# Altium PCB huamoidiot PCB.PcbDoc
Units mm, origin at the board's own origin, x right, y up, seen from the top; angles counter-clockwise.
Board outline 109.6 x 61.84 mm, 2 copper layers (Top Layer, Bottom Layer); 29 components, 41 nets, 167 pads, 17 vias.
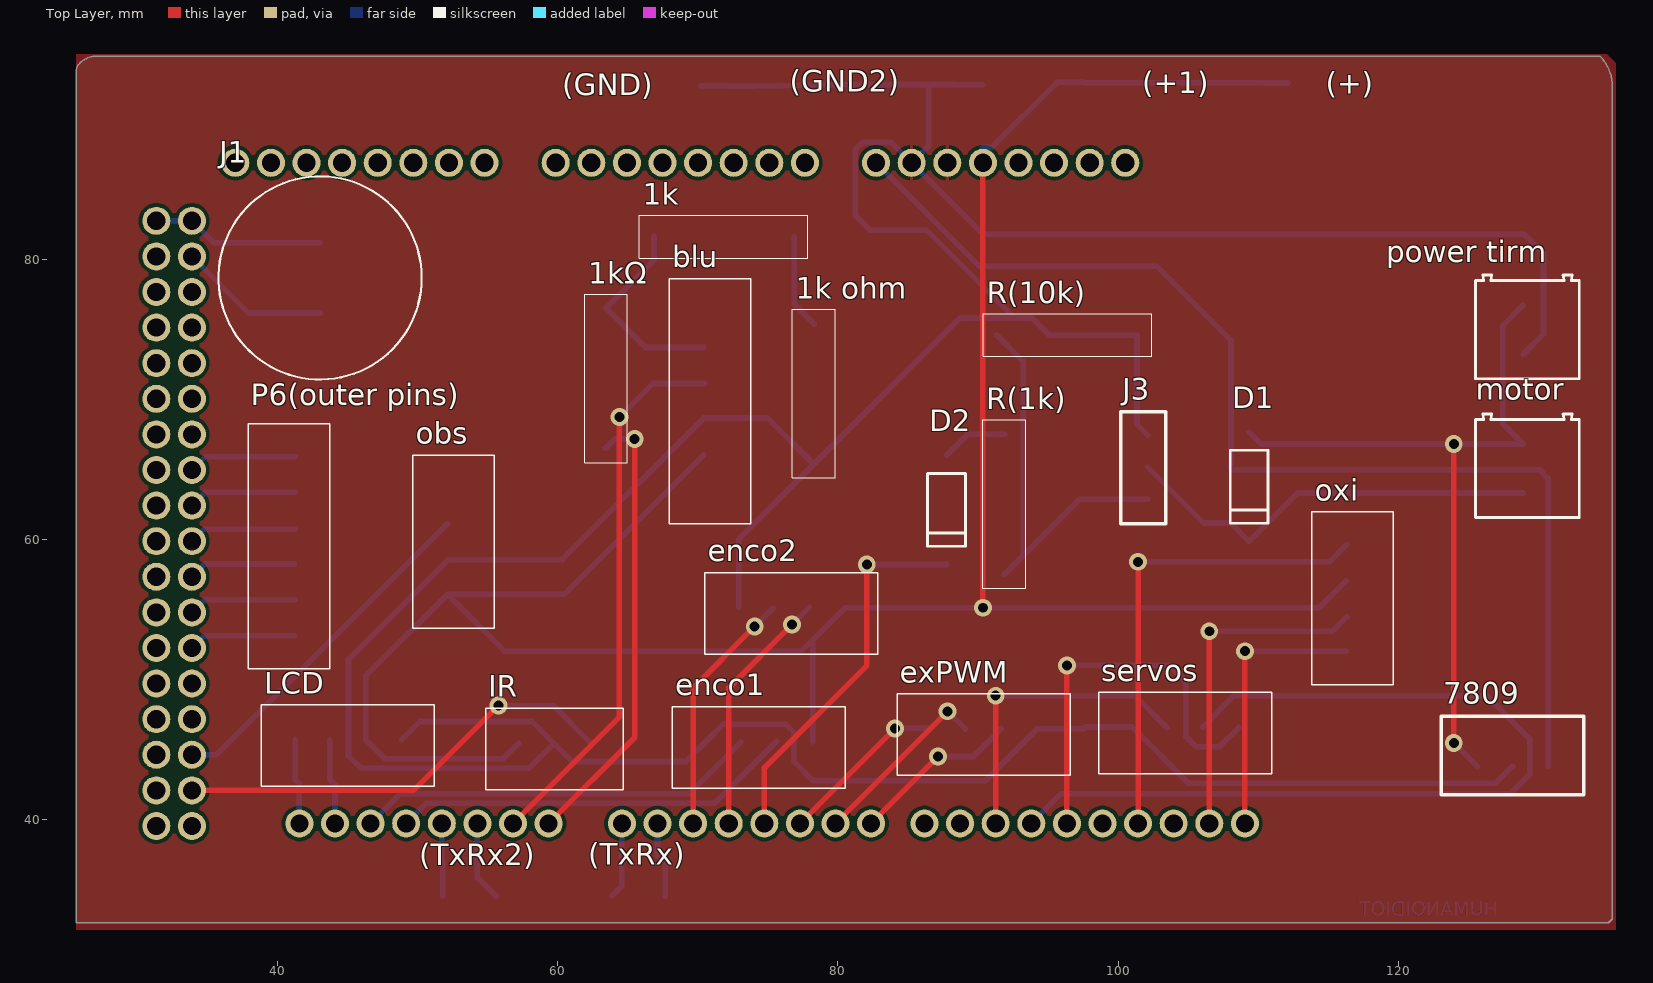
[diagram p0: Top Layer view]
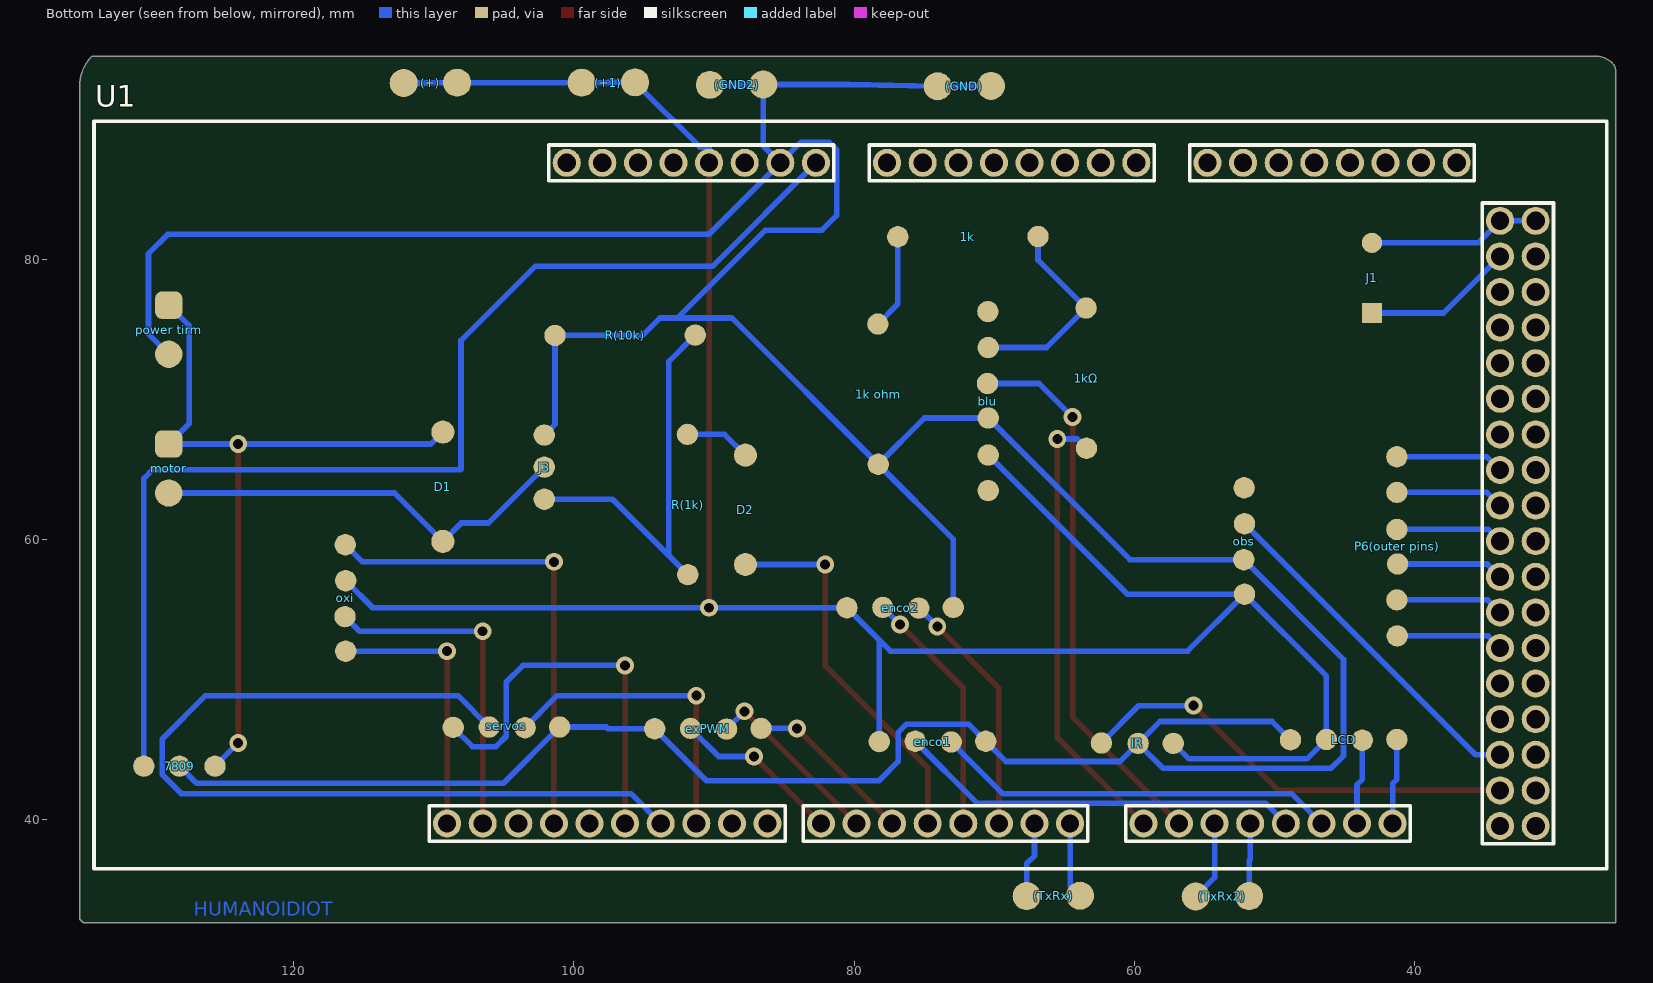
[diagram p1: Bottom Layer view, seen from below]

## Layer stack, top to bottom
Top Solder: solder mask 0.0102, Solder Resist, Dk 3.5
Top Layer: signal copper 0.0356
Dielectric 1: dielectric 0.32, FR-4, Dk 4.8
Bottom Layer: signal copper 0.0356
Bottom Solder: solder mask 0.0102, Solder Resist, Dk 3.5

## Board outline
25.654,32.639 25.654,93.367 cw(c26.521,93.367) 25.908,93.98 cw(c27.113,92.775) 27.113,94.479 134.375,94.479 cw(c132.25,92.354) 135.255,92.354 135.255,32.893 135.001,32.639

## Design rules (kind name [scope] priority, off if disabled: settings)
Clearance [All] p1: gap=0.254 ignorepadtopadclearanceinfootprint=FALSE
PolygonConnect [All] p1: connectstyle=Relief reliefconductorwidth=0.254 reliefentries=4 polygonreliefangle="90 Angle" airgapwidth=0.254
RoutingVias [All] p1: holewidth=0.711 width=1.27 viastyle="Through Hole" minholewidth=0.711 minwidth=1.27 maxholewidth=0.711 maxwidth=1.27
SolderMaskExpansion [All] p1: expansion=0.102 istentingtop=FALSE
SupplyNets "Schematic Supply Nets_3" [InNet('+12')] p1: voltage=0.000
SupplyNets "Schematic Supply Nets_2" [InNet('+5')] p2: voltage=0.000
SupplyNets "Schematic Supply Nets" [InNet('GND')] p3: voltage=0.000
Width [All] p1: maxlimit=0.6 minlimit=0.254 preferedwidth=0.4 minimp=50.000000 maximp=50.000000 favimp=50.000000
30 further rules are at their usual default settings.

## Components (designator, comment, footprint, x,y, rotation, side; value= is the part's Value field where it differs from the comment)
1k "0.25W_resistor" 0.25W_resistor 73.66,82.804 r180 top
"1k ohm" "0.25W_resistor" 0.25W_resistor 79.502,68.58 r90 top
1kΩ "0.25W_resistor" 0.25W_resistor 62.23,73.279 r270 top
7809 "7809_hole" 780X_hole 128.143,45.085 r0 top
(+1) "Pin_Header_2" "pin header_2" 101.117,93.497 r180 top
(+) "Pin_Header_2" "pin header_2" 113.817,93.472 r180 top
(GND2) "Pin_Header_2" "pin header_2" 91.973,93.345 r180 top
(GND) "Pin_Header_2" "pin header_2" 75.717,93.243 r180 top
(TxRx2) "Pin_Header_2" "pin header_2" 50.14,33.63 r0 top
(TxRx) "Pin_Header_2" "pin header_2" 62.205,33.655 r0 top
blu "Data_Pin_6(blutooth)" Data_Pin_6 64.389,73.127 r270 top
D1 "1N4007" FAIR-DO-41-2 109.347,63.754 r270 top
D2 "1N4007" FAIR-DO-41-2 87.757,62.103 r270 top
enco1 "Data_Pin_4(encoder)" Data_Pin_4 68.834,46.355 r180 top
enco2 "Data_Pin_4(encoder)" Data_Pin_4 71.145,55.905 r180 top
exPWM "Data_Pin_4" Data_Pin_4 84.861,47.269 r180 top
IR "Data_Pin_3(IR)" Data_Pin_3 53.162,44.602 r180 top
J1 "Buzzer_5V" Buzzer_5V_14mm 43.053,78.653 r90 top
J3 "BD679C NPN Transistor" "BD679C NPN Transistor" 101.6,65.151 r270 top
LCD "LCD" Data_Pin_4 39.497,46.482 r180 top
motor "terminal_2" terminal_2 127.203,71.613 r270 top
obs "Data_Pin_4(obs)" Data_Pin_4 51.384,54.305 r270 top
oxi "Data_Pin_4(oximeter)" Data_Pin_4 115.519,50.241 r270 top
"P6(outer pins)" "Data_Pin_6(outer pins)" Data_Pin_6 47.32,56.236 r90 top
"power tirm" "terminal_2" terminal_2 127.203,81.519 r270 top
R(1k) "0.25W_resistor" 0.25W_resistor 93.091,60.706 r90 top
R(10k) "0.25W_resistor" 0.25W_resistor 94.564,73.355 r0 top
servos "Data_Pin_4" Data_Pin_4 99.238,47.371 r180 top
U1 "Arduino_Mega" Arduino_Mega 737.489,88.011 r180 bottom

## Footprints (in the part's own frame and the unit in brackets; to place one, negate y for a bottom-side part, rotate by r counter-clockwise, add the part's x,y. Pads: shape width x height; smd on the part's side, far side on the other; paste and mask are expansions set on the pad)
0.25W_resistor [mil]
  round 60 smd far side: 1(-127,48) 2(267,47)
  silkscreen extent -165,-12 308,108, body extent -143,1 283,95, height 162
780X_hole [mil]
  round 60 smd far side: 1(-100,-50) 2(100,-50) 3(0,-50)
  silkscreen extent -200,-130 200,90, body extent -201,-130 201,91, height 813
Arduino_Mega [mm] "Arduino_Mega"
  round 2 hole 1.3: 3.3V(644.601,-1.143) 5V(647.141,-1.143) 5V_DOWN(703.58,-48.463) 5V_DOWN(706.12,-48.463) 22(706.12,-45.923) 23(703.58,-45.923) 24(706.12,-43.383) 25(703.58,-43.383) 26(706.12,-40.843) 27(703.58,-40.843) 28(706.12,-38.303) 29(703.58,-38.303) 30(706.12,-35.763) 31(703.58,-35.763) 32(706.12,-33.223) 33(703.58,-33.223) 34(706.12,-30.683) 35(703.58,-30.683) 36(706.12,-28.143) 37(703.58,-28.143) 38(706.12,-25.603) 39(703.58,-25.603) 40(706.12,-23.063) 41(703.58,-23.063) 42(706.12,-20.523) 43(703.58,-20.523) 44(706.12,-17.983) 45(703.58,-17.983) 46(706.12,-15.443) 47(703.58,-15.443) 48(706.12,-12.903) 49(703.58,-12.903) 50(706.12,-10.363) 51(703.58,-10.363) 52(706.12,-7.823) 53(703.58,-7.823) A_0(659.841,-1.143) A_1(662.381,-1.143) A_2(664.921,-1.143) A_3(667.461,-1.143) A_4(670.001,-1.143) A_5(672.541,-1.143) A_6(675.081,-1.143) A_7(677.621,-1.143) A_8(682.701,-1.143) A_9(685.241,-1.143) A_10(687.781,-1.143) A_11(690.321,-1.143) A_12(692.861,-1.143) A_13(695.401,-1.143) A_14(697.941,-1.143) A_15(700.481,-1.143) GND_DOWN(703.58,-5.283) GND_DOWN(706.12,-5.283) GND_POWER(649.681,-1.143) GND_POWER(652.221,-1.143) GND_PWM(636.067,-48.285) HOLD(636.981,-1.143) PWM_2(667.817,-48.285) PWM_3(665.277,-48.285) PWM_4(662.737,-48.285) PWM_5(660.197,-48.285) PWM_6(657.657,-48.285) PWM_7(655.117,-48.285) PWM_8(651.307,-48.285) PWM_9(648.767,-48.285) PWM_10(646.227,-48.285) PWM_11(643.687,-48.285) PWM_12(641.147,-48.285) PWM_13(638.607,-48.285) REF(633.527,-48.285) REF_I/O(639.521,-1.143) RST(642.061,-1.143) Rx_0(672.897,-48.285) Rx_15(680.669,-48.285) Rx_17(685.749,-48.285) Rx_19(690.829,-48.285) SCL(628.447,-48.285) SCL_21(695.909,-48.285) SDA(630.987,-48.285) SDA_20(693.369,-48.285) Tx_1(670.357,-48.285) Tx_14(678.129,-48.285) Tx_16(683.209,-48.285) Tx_18(688.289,-48.285) Vin(654.761,-1.143)
  silkscreen extent 603.25,-51.51 711.2,1.83, body extent 603.1,-51.26 711.05,2.08, height 15.3
"BD679C NPN Transistor" [mil] "BD679C 750@1.5A,3V 80V NPN 4A 40W TO-126-3 Darlington Transistor"
  round 60 smd far side: B(90,20) C(0,20) E(-90,20)
  silkscreen extent -155,-56 159,71, body extent -156,-56 159,72, height 671
Buzzer_5V_14mm [mm] "FP-PS1440P02BT-MFG"
  rect 1.45x1.45 smd far side paste-2539.97 mask+0: 1(-2.5,0)
  round 1.45 smd far side paste-2539.97 mask+0: 2(2.5,0)
  silkscreen extent -7.25,-7.25 7.25,7.25, body extent -7.35,-7.35 7.35,7.35, height 0.25
Data_Pin_3 [mil]
  round 60 smd far side: 1(-362,-34) 2(-259,-33) 3(-160,-33)
  silkscreen extent -454,-132 -67,97, body extent -451,-132 -67,98, height 284
Data_Pin_4 [mil]
  round 60 smd far side: 1(-369,31) 2(-268,30) 3(-167,32) 4(-70,30)
  silkscreen extent -461,-67 25,162, body extent -460,-69 24,161, height 284
Data_Pin_6 [mil]
  round 60 smd far side: 1(-123,239) 2(-22,238) 3(79,240) 4(176,238) 5(280,238) 6(380,237.99)
  silkscreen extent -215,141 473,370, body extent -214,139 470,369, height 284
FAIR-DO-41-2 [mm] "THD, 2-Leads, Body 5.2x2.72mm, Pin Spacing 7.8mm"
  round 1.65 smd far side: 1(-3.9,0) 2(3.9,0)
  silkscreen extent -2.6,-1.35 2.6,1.35, body extent -4.29,-1.17 4.29,1.17, height 2.35
"pin header_2" [mm] "pin header_2"
  round 2 smd far side: 38(5.486,0.889) 39(1.676,0.914)
  body extent -0.25,-0.43 7.37,2.37, height 9
terminal_2 [mm]
  rrect50% 1.95x1.95 smd far side: 1(4.811,1.702)
  round 1.95 smd far side: 2(8.311,1.702)
  silkscreen extent 2.66,-1.7 10.06,5.7, body extent 2.61,-1.7 10.06,5.7, height 8.55

## Part data
(+1) (+) (GND2) (GND) (TxRx2) (TxRx): "pin header"
blu "P6(outer pins)": library part Data_Pin_6
D1 D2: library part CMP-004-00007-2, "General Purpose Rectifier, 1.1 V, 1.0 A, -55 to 175 degC, 2-Pin DO-41, RoHS, Tape and Reel", Case/Package=DO-41-2, Forward Current=1A, Forward Voltage=1.1V, manufacturer=Fairchild, Max Operating Temperature=175°C, Max Surge Current=30A, Min Operating Temperature=-55°C, Package Description="2-Pin Axial Lead, Dia 2.375 mm, Body Length 4.63 mm", Package Quantity=5000, Package Version="Rev. 2, 09/2008", Peak Reverse Current=5uA, Datasheet URL=https://www.fairchildsemi.com/datasheets/1N/1N4007.pdf, Datasheet Version="Rev. 1.1.0, 11/2014", Elements=1, Manufacturer URL=https://www.fairchildsemi.com/, Mounting Technology=TH, Package Reference=DO-41-2, Package URL=http://www.fairchildsemi.com/dwg/DO/DO41A.pdf, Packaging=TapeandReel, Pins=2, RoHS Compliant=True
enco1 enco2 LCD obs oxi: library part Data_Pin_4
exPWM servos: library part CMP-010-000008-1, Design Item ID=Data_Pin_4, Source=negm_library.SchLib
IR: library part Data_Pin_3
J3: "BD679C 750@1.5A,3V 80V NPN 4A 40W TO-126-3 Darlington Transistor"

## Via types
v1: diameter 1.27, hole 0.711, Top Layer to Bottom Layer, 17 vias

## Nets (pads, with @x,y where several pads share a name; then routed paths per layer and width w, separated by ;. In a path a pad name is that pad's centre, name@x,y a point inside that pad or via, vN(x,y) a via of type N, cw(c..) or ccw(c..) an arc to the next point about the centre after c; other vN are vias at no path point)
+5: (+1).38 (+1).39 (+).38 (+).39 blu.5 enco1.1 enco2.1 IR.3 LCD.2 obs.4 oxi.2 U1.5V | length 178.9
  Top Layer w0.4: v1(90.348,55.118) U1.5V
  Bottom Layer w0.4: IR.3 56.118,44.333 47.692,44.333 LCD.2 46.304,50.241 obs.4 ; blu.5 60.503,56.083 obs.4 ; enco1.1 78.207,52.807 ; U1.5V 90.348,87.986 91.008,87.986 95.631,92.608 97.511,92.608 97.536,92.583 99.441,92.583 108.331,92.583 110.211,92.583 110.236,92.558 112.141,92.558 ; oxi.2 114.351,55.118 v1(90.348,55.118) enco2.1 78.207,52.807 ; obs.4 56.21,52.019 77.419,52.019 78.207,52.807
+12: 7809.1 "power tirm.1" D1.1 motor.1 | length 54.7
  Top Layer w0.4: v1(123.952,45.466) v1(123.952,66.802)
  Bottom Layer w0.4: D1.1 110.199,66.802 v1(123.952,66.802) motor.1 127.457,68.25 127.457,75.26 128.905,76.708 ; v1(123.952,45.466) 7809.1
GND: 7809.3 "1k ohm.1" "power tirm.2" (GND2).38 (GND2).39 (GND).38 (GND).39 blu.4 enco1.4 enco2.4 exPWM.1 IR.2 J3.E LCD.1 obs.3 R(10k).2 servos.4 U1.GND_POWER | length 306.5
  Bottom Layer w0.4: LCD.1 50.178,47.003 58.179,47.003 IR.2 ; 70.231,92.354 72.111,92.354 72.136,92.329 74.041,92.329 80.391,92.456 86.487,92.456 ; enco2.4 72.923,59.995 78.283,65.354 ; 90.297,92.431 88.392,92.431 88.367,92.456 86.487,92.456 ; J3.E 101.346,68.199 101.346,74.549 95.098,74.549 93.853,75.794 92.608,75.794 ; 7809.3 126.924,42.596 105.029,42.596 servos.4 97.688,46.609 97.561,46.482 exPWM.1 90.526,42.774 78.232,42.774 76.86,44.145 76.86,46.228 76.276,46.812 71.831,46.812 enco1.4 69.164,44.145 61.036,44.145 IR.2 ; 128.905,73.208 130.353,74.656 130.353,80.391 128.981,81.763 90.373,81.763 U1.GND_POWER@85.268,86.868 ; IR.2 57.963,43.663 45.974,43.663 45.085,44.552 45.085,51.435 obs.3 60.325,58.547 blu.4 74.981,68.656 78.283,65.354 ; 78.283,65.354 88.722,75.794 92.608,75.794 ; U1.GND_POWER@85.268,86.868 86.487,88.087 86.487,92.456 ; U1.GND_POWER@85.268,86.868 83.795,88.341 81.788,88.341 81.255,87.808 81.255,83.109 82.296,82.067 86.335,82.067 92.608,75.794
GND_DDD: J1.2 U1.GND_DOWN | length 12.3
  Bottom Layer w0.4: U1.GND_DOWN@31.369,82.728 33.909,82.728 35.484,81.153 J1.2
GND_PWM: oxi.1 U1.GND_PWM | length 34.1
  Top Layer w0.4: U1.GND_PWM v1(101.422,58.395)
  Bottom Layer w0.4: v1(101.422,58.395) 115.087,58.395 oxi.1
"Net1k ohm_2": 1k.1 "1k ohm.2" | length 6.8
  Bottom Layer w0.4: 1k.1 76.886,76.784 78.308,75.362
Net1k_2: 1k.2 1kΩ.1 blu.2 | length 14.7
  Bottom Layer w0.4: 1k.2 66.878,79.934 1kΩ.1 66.269,73.685 blu.2
NetD1_2: D1.2 J3.C motor.2 | length 30.4
  Bottom Layer w0.4: J3.C 106.096,61.163 108.038,61.163 D1.2 112.795,63.302 motor.2
NetD2_1: D2.1 R(1k).2 | length 4.8
  Bottom Layer w0.4: D2.1 89.242,67.488 91.897,67.488
NetJ3_B: J3.B R(1k).1 R(10k).1 | length 29
  Bottom Layer w0.4: 91.338,74.574 93.218,72.695 93.218,58.826 ; 91.872,57.48 93.218,58.826 ; J3.B 97.257,62.865 93.218,58.826
PIN23: IR.1 U1.23 | length 32.1
  Top Layer w0.4: U1.23 49.733,42.088 v1(55.778,48.133)
  Bottom Layer w0.4: v1(55.778,48.133) 59.69,48.133 IR.1
PIN25: obs.2 U1.25 | length 25.1
  Bottom Layer w0.4: U1.25 35.662,44.628 obs.2
PIN31: "P6(outer pins).1" U1.31 | length 7.7
  Bottom Layer w0.4: U1.31 34.773,53.111 41.25,53.111
PIN33: "P6(outer pins).2" U1.33 | length 7.7
  Bottom Layer w0.4: U1.33 34.798,55.677 41.275,55.677
PIN35: "P6(outer pins).3" U1.35 | length 7.7
  Bottom Layer w0.4: U1.35 34.823,58.242 41.224,58.242
PIN37: "P6(outer pins).4" U1.37 | length 7.7
  Bottom Layer w0.4: U1.37 34.747,60.706 41.275,60.706
PIN39: "P6(outer pins).5" U1.39 | length 7.8
  Bottom Layer w0.4: U1.39 34.849,63.348 41.275,63.348
PIN41: "P6(outer pins).6" U1.41 | length 7.8
  Bottom Layer w0.4: U1.41 34.849,65.888 41.275,65.888
PIN53: J1.1 U1.53 | length 10.8
  Bottom Layer w0.4: U1.53 37.944,76.153 J1.1
PWM2: enco2.3 U1.PWM_2 | length 17.7
  Top Layer w0.4: U1.PWM_2 69.672,49.378 v1(74.066,53.772)
  Bottom Layer w0.4: v1(74.066,53.772) enco2.3
PWM3: enco2.2 U1.PWM_3 | length 17.8
  Top Layer w0.4: U1.PWM_3 72.212,49.403 v1(76.733,53.924)
  Bottom Layer w0.4: v1(76.733,53.924) enco2.2
PWM4: D2.2 U1.PWM_4 | length 27.2
  Top Layer w0.4: U1.PWM_4 74.752,43.688 82.067,51.003 v1(82.067,58.203)
  Bottom Layer w0.4: v1(82.067,58.203) D2.2
PWM10: servos.3 U1.PWM_10 | length 22.3
  Top Layer w0.4: U1.PWM_10 v1(91.262,48.844)
  Bottom Layer w0.4: v1(91.262,48.844) 101.194,48.844 servos.3
PWM11: servos.2 U1.PWM_11 | length 65.1
  Bottom Layer w0.4: U1.PWM_11 95.936,41.859 128.016,41.859 129.362,43.205 129.362,45.771 126.289,48.844 108.28,48.844 servos.2
PWM12: servos.1 U1.PWM_12 | length 28.8
  Top Layer w0.4: U1.PWM_12 v1(96.342,51.003)
  Bottom Layer w0.4: v1(96.342,51.003) 103.632,51.003 104.826,49.809 104.826,45.949 105.562,45.212 107.239,45.212 servos.1
PWM_5: exPWM.4 U1.PWM_5 | length 12.2
  Top Layer w0.4: U1.PWM_5 v1(84.074,46.507)
  Bottom Layer w0.4: v1(84.074,46.507) exPWM.4
PWM_6: exPWM.3 U1.PWM_6 | length 13.1
  Top Layer w0.4: U1.PWM_6 v1(87.833,47.727)
  Bottom Layer w0.4: v1(87.833,47.727) exPWM.3
PWM_7: exPWM.2 U1.PWM_7 | length 12.1
  Top Layer w0.4: U1.PWM_7 v1(87.147,44.501)
  Bottom Layer w0.4: v1(87.147,44.501) 89.662,44.501 exPWM.2
Rx: (TxRx).39 U1.Rx_0 | length 5.5
  Bottom Layer w0.4: 63.881,34.569 64.592,35.281 U1.Rx_0
Rx1: enco1.3 U1.Rx_19 | length 28.8
  Bottom Layer w0.4: U1.Rx_19 48.768,41.834 69.367,41.834 enco1.3
Rx2: (TxRx2).39 U1.Rx_17 | length 5.2
  Bottom Layer w0.4: U1.Rx_17 51.74,37.16 51.816,37.084 51.816,34.544
Rx3: blu.3 U1.Rx_15 | length 39.2
  Top Layer w0.4: U1.Rx_15 64.414,47.32 v1(64.414,68.732)
  Bottom Layer w0.4: v1(64.414,68.732) 66.802,71.12 blu.3
SCL: oxi.4 U1.SCL | length 19.5
  Top Layer w0.4: U1.SCL v1(109.042,52.019)
  Bottom Layer w0.4: v1(109.042,52.019) oxi.4
SCL21: LCD.4 U1.SCL_21 | length 6.1
  Bottom Layer w0.4: LCD.4 41.275,42.875 41.58,42.57 U1.SCL_21
SDA: oxi.3 U1.SDA | length 24
  Top Layer w0.4: U1.SDA v1(106.502,53.442)
  Bottom Layer w0.4: v1(106.502,53.442) 115.291,53.442 oxi.3
SDA20: LCD.3 U1.SDA_20 | length 6.1
  Bottom Layer w0.4: LCD.3 43.739,42.875 44.12,42.494 U1.SDA_20
Tx: (TxRx).38 U1.Tx_1 | length 5.4
  Bottom Layer w0.4: U1.Tx_1 67.132,37.414 67.691,36.855 67.691,34.544
Tx1: enco1.2 U1.Tx_18 | length 28.9
  Bottom Layer w0.4: U1.Tx_18 50.654,41.18 71.228,41.18 enco1.2
Tx2: (TxRx2).38 U1.Tx_16 | length 5.8
  Bottom Layer w0.4: U1.Tx_16 54.28,35.865 55.626,34.519
Tx3: 1kΩ.2 U1.Tx_14 | length 32.3
  Top Layer w0.4: U1.Tx_14 65.507,45.872 v1(65.507,67.158)
  Bottom Layer w0.4: 1kΩ.2 64.084,67.158 v1(65.507,67.158)
Vin: 7809.2 U1.Vin | length 83.2
  Bottom Layer w0.4: U1.Vin 90.119,79.477 102.768,79.477 108.052,74.193 108.052,64.999 108.077,64.973 130.048,64.973 130.683,64.338 7809.2
pads on no net: blu.1 blu.6 obs.1 U1.3.3V U1.5V_DOWN U1.22 U1.24 U1.26 U1.27 U1.28 U1.29 U1.30 U1.32 U1.34 U1.36 U1.38 U1.40 U1.42 U1.43 U1.44 U1.45 U1.46 U1.47 U1.48 U1.49 U1.50 U1.51 U1.52 U1.A_0 U1.A_1 U1.A_2 U1.A_3 U1.A_4 U1.A_5 U1.A_6 U1.A_7 U1.A_8 U1.A_9 U1.A_10 U1.A_11 U1.A_12 U1.A_13 U1.A_14 U1.A_15 U1.HOLD U1.PWM_8 U1.PWM_9 U1.PWM_13 U1.REF U1.REF_I/O U1.RST

## Polygon pours and split planes (outlines as drawn)
GND on Top Layer "GND_L01_P002" (solid, pour order 2): 25.654,94.615 134.874,94.615 135.509,93.98 135.509,32.131 25.654,32.131

## Other copper
Bottom Layer:
  text "HUMANOIDIOT" at 127.127,33.147 h1

## Silkscreen, mask and mechanical layers (free items; w line width, h text height)
Mechanical 1:
  the board outline again, w0.5